# KiCad board IMU-2X.kicad_pcb
title: IMU-2X; date: 2023-11-19; rev: 2; company: FRC971 SPARTAN ROBOTICS
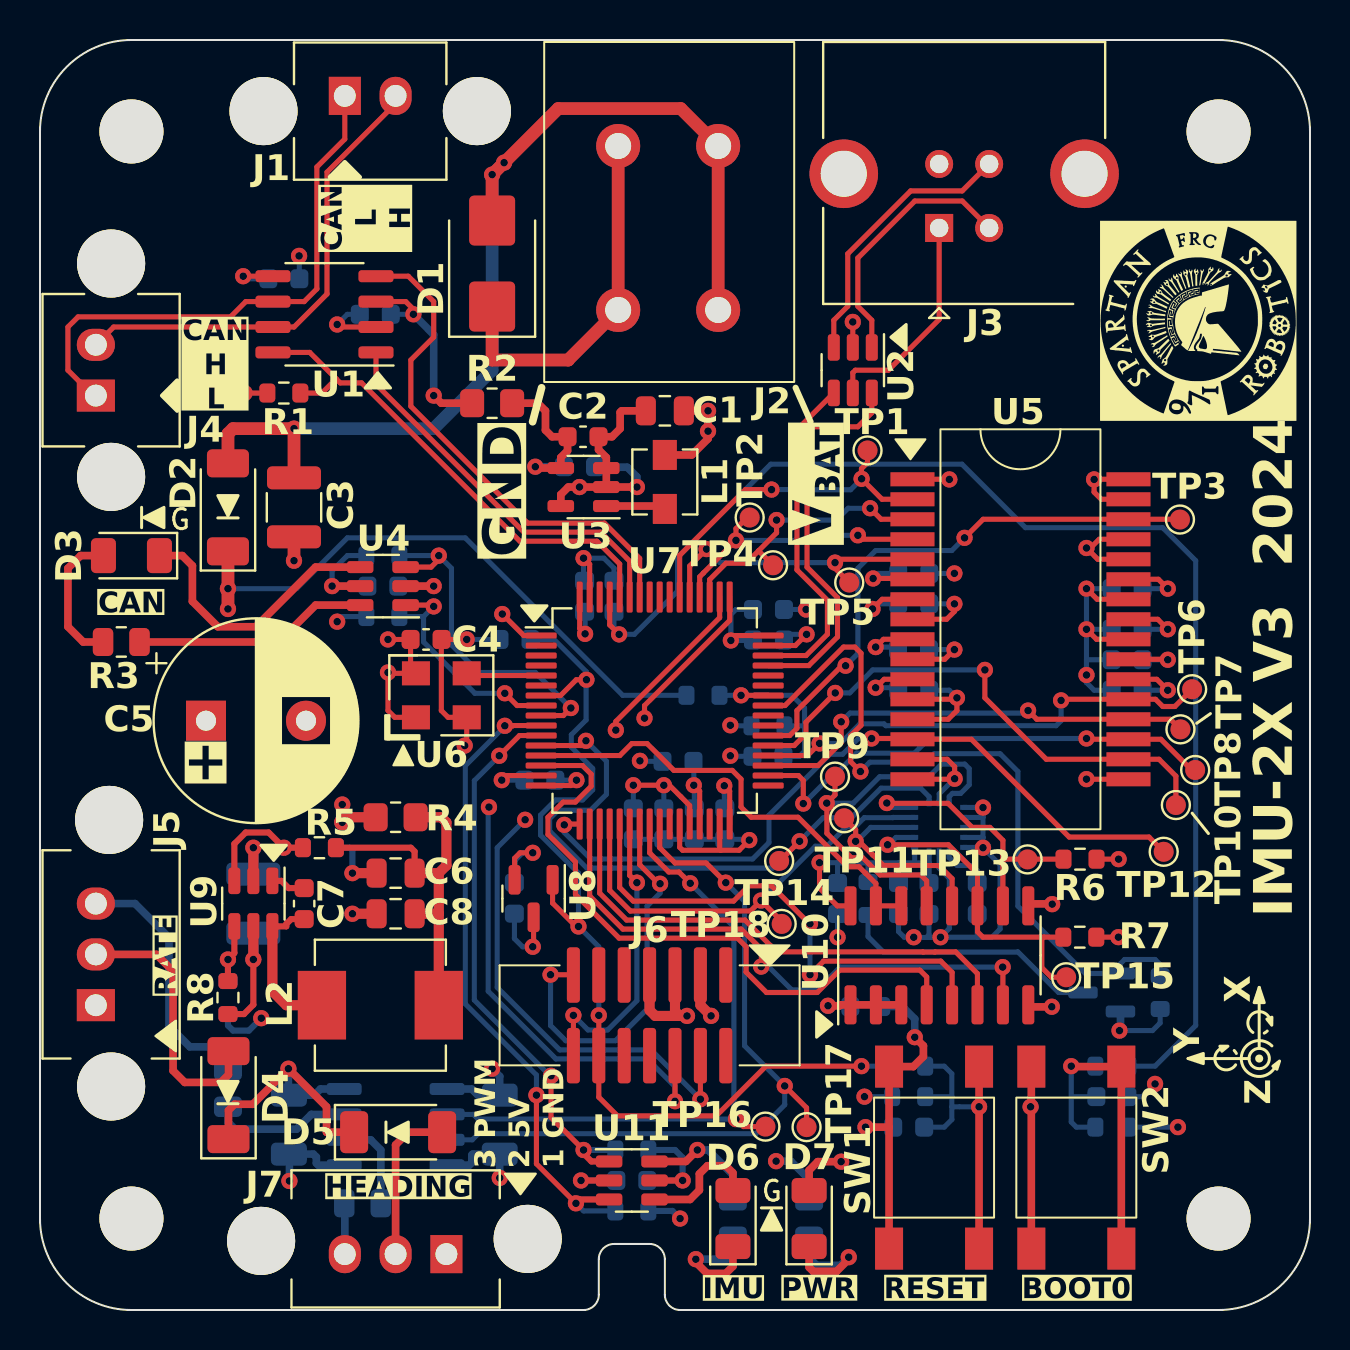
[diagram p0: board, top side]
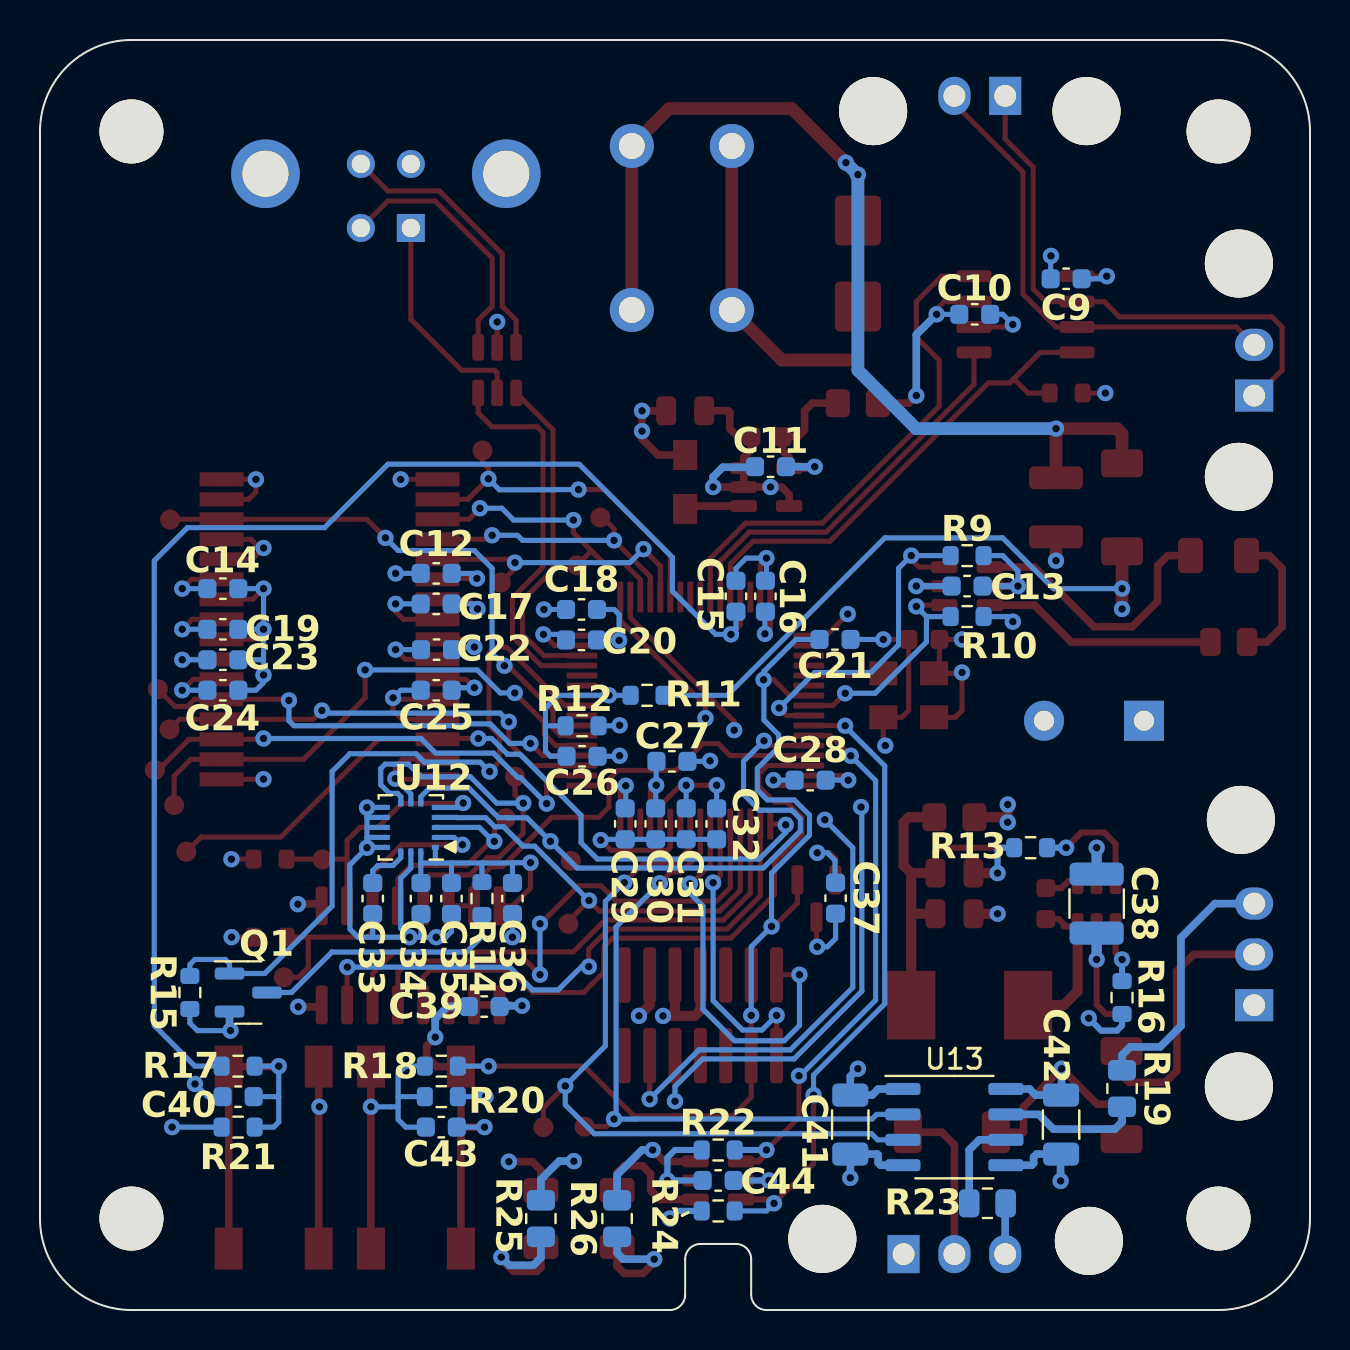
[diagram p1: board, bottom side, seen from below]

Outline 63.5 x 63.5 mm; copper layers: Top, In1.Cu, In2.Cu, Bottom. Coordinates in mm from the lower left corner of the outline.
Outline path: 0,58.93 arc(1.34,62.16) 4.57,63.5 58.93,63.5 arc(62.16,62.16) 63.5,58.93 63.5,4.57 arc(62.16,1.34) 58.93,0 32,0 arc(31.47,0.22) 31.24,0.76 31.24,2.54 arc(31.02,3.08) 30.48,3.3 28.7,3.3 arc(28.16,3.08) 27.94,2.54 27.94,0.76 arc(27.72,0.22) 27.18,0 4.57,0 arc(1.34,1.34) 0,4.57 0,58.93
Stack: Top 0.035mm / dielectric 0.0998mm FR4 er 4.5 / In1.Cu 0.035mm / dielectric 1.24mm FR4 er 4.5 / In2.Cu 0.035mm / dielectric 0.1mm FR4 er 4.5 / Bottom 0.035mm

## Placement (name value [footprint] x y rotation side)
C1  10uF-10%-10V-0805  [C_0805_2012Metric]  31.24 44.96 180 top
C2  22uF-20%-0603  [C_0603_1608Metric]  27.15 43.66 0 top
C3  22uF-25V-10%-1210  [C_1210_3225Metric]  12.7 40.13 90 top
C4  0.1uF-25V-10%-0603  [C_0603_1608Metric]  19.3 33.53 0 top
C5  330uF-35V-20%-10mm  [CP_Radial_D10.0mm_P5.00mm]  8.3 29.46 0 top
C6  10uF-10%-10V-0805  [C_0805_2012Metric]  17.78 21.84 180 top
C7  0.1uF-25V-10%-0603  [C_0603_1608Metric]  13.21 20.32 270 top
C8  10uF-10%-10V-0805  [C_0805_2012Metric]  17.78 19.81 180 top
C9  0.1uF-25V-10%-0603  [C_0603_1608Metric]  12.19 51.56 0 bottom
C10  0.1uF-25V-10%-0603  [C_0603_1608Metric]  16.76 49.78 180 bottom
C11  22uF-20%-0603  [C_0603_1608Metric]  26.97 42.16 0 bottom
C12  1.0uF-25V-10%-0603  [C_0603_1608Metric]  43.69 36.83 0 bottom
C13  0.1uF-25V-10%-0603  [C_0603_1608Metric]  17.15 36.2 0 bottom
C14  1.0uF-25V-10%-0603  [C_0603_1608Metric]  54.36 36.07 180 bottom
C15  1000pF-50V-5%-0603  [C_0603_1608Metric]  28.7 35.69 90 bottom
C16  0.1uF-25V-10%-0603  [C_0603_1608Metric]  27.23 35.69 90 bottom
C17  0.1uF-25V-10%-0603  [C_0603_1608Metric]  43.69 35.31 0 bottom
C18  2.2uF-10V-10%-0603  [C_0603_1608Metric]  36.42 35.03 0 bottom
C19  1.0uF-25V-10%-0603  [C_0603_1608Metric]  54.36 34.04 180 bottom
C20  0.1uF-25V-10%-0603  [C_0603_1608Metric]  36.42 33.5 0 bottom
C21  1000pF-50V-5%-0603  [C_0603_1608Metric]  23.75 33.53 180 bottom
C22  1.0uF-25V-10%-0603  [C_0603_1608Metric]  43.68 33.02 0 bottom
C23  0.1uF-25V-10%-0603  [C_0603_1608Metric]  54.36 32.51 180 bottom
C24  1.0uF-25V-10%-0603  [C_0603_1608Metric]  54.36 30.99 180 bottom
C25  1.0uF-25V-10%-0603  [C_0603_1608Metric]  43.69 30.99 0 bottom
C26  0.047uF-16V-10%-0603  [C_0603_1608Metric]  36.4 27.69 180 bottom
C27  4.7uF-6.3V-10%-0603  [C_0603_1608Metric]  31.9 27.43 180 bottom
C28  0.1uF-25V-10%-0603  [C_0603_1608Metric]  24.99 26.49 180 bottom
C29  0.1uF-25V-10%-0603  [C_0603_1608Metric]  34.24 24.31 270 bottom
C30  0.01uF-50V-10%-0603  [C_0603_1608Metric]  32.72 24.31 270 bottom
C31  1.0uF-25V-10%-0603  [C_0603_1608Metric]  31.19 24.31 270 bottom
C32  0.1uF-25V-10%-0603  [C_0603_1608Metric]  29.67 24.31 270 bottom
C33  0.47uF-10V-10%-0603  [C_0603_1608Metric]  46.86 20.57 270 bottom
C34  0.1uF-25V-10%-0603  [C_0603_1608Metric]  44.45 20.57 270 bottom
C35  2.2uF-10V-10%-0603  [C_0603_1608Metric]  42.93 20.57 270 bottom
C36  0.1uF-25V-10%-0603  [C_0603_1608Metric]  39.88 20.57 270 bottom
C37  0.1uF-25V-10%-0603  [C_0603_1608Metric]  23.72 20.59 270 bottom
C38  22uF-25V-10%-1210  [C_1210_3225Metric]  10.67 20.32 270 bottom
C39  0.1uF-25V-10%-0603  [C_0603_1608Metric]  41.29 15.17 0 bottom
C40  0.1uF-25V-10%-0603  [C_0603_1608Metric]  53.59 10.67 180 bottom
C41  0.1uF-25V-10%-1206  [C_1206_3216Metric]  22.99 9.27 270 bottom
C42  0.1uF-25V-10%-1206  [C_1206_3216Metric]  12.45 9.27 270 bottom
C43  0.01uF-50V-10%-0603  [C_0603_1608Metric]  43.43 9.14 180 bottom
C44  0.1uF-25V-10%-0603  [C_0603_1608Metric]  29.59 6.48 180 bottom
D1  15V  [D_SMB]  22.61 52.32 90 top
D2  PMEG3020EP,115  [D_SOD-128]  9.4 40.13 90 top
D3  CAN  [LED_1206_3216Metric]  4.57 37.72 180 top
D4  PMEG3020EP,115  [D_SOD-128]  9.42 10.74 90 top
D5  PMEG3020EP,115  [D_SOD-128]  17.91 8.89 0 top
D6  IMU  [LED_1206_3216Metric]  34.65 4.57 90 top
D7  PWR  [LED_1206_3216Metric]  38.46 4.57 90 top
G***  LOGO  [Spartan Logo-FrontSilk]  57.91 49.45 90 top
H1  MountingHole  [MountingHole_3.2mm_M3]  4.57 58.93 0 top
H2  MountingHole  [MountingHole_3.2mm_M3]  58.93 58.93 0 top
H3  MountingHole  [MountingHole_3.2mm_M3]  4.57 4.57 0 top
H4  MountingHole  [MountingHole_3.2mm_M3]  58.93 4.57 180 bottom
J1  CAN-FD  [70541-0001]  15.24 60.71 0 top
J2  Power  [Wago-2604-3102]  33.91 58.2 270 top
J3  USB_B  [USB_B_TE_5787834_Vertical]  44.96 54.1 180 top
J4  CAN-FD  [70541-0001]  2.79 45.72 90 top
J5  RATE  [70541-0002]  2.79 15.24 270 top
J6  SWD  [CNC-Tech-3220-14-0300-00]  30.48 14.73 270 top
J7  HEADING  [70541-0002]  20.32 2.79 0 top
L1  2.2uH-20%-46mR  [L_Vishay_IHLP-1212]  31.24 41.4 270 top
L2  8.2uH-20%-55mR  [L_Vishay_IHLP-2525]  17.02 15.24 0 top
Q1  DMP2004K-7  [SOT-23]  53.09 15.88 180 bottom
R1  10.0k-1%-0603  [R_0603_1608Metric]  12.19 45.85 0 top
R2  0R-0805  [R_0805_2012Metric_Pad1.20x1.40mm_HandSolder]  22.61 45.34 0 top
R3  249R-1%-0805  [R_0805_2012Metric]  4.06 33.4 0 top
R4  0R-0805  [R_0805_2012Metric_Pad1.20x1.40mm_HandSolder]  17.78 24.64 0 top
R5  63.4k-1%-0603  [R_0603_1608Metric]  13.97 23.11 0 top
R6  10.0k-1%-0603  [R_0603_1608Metric]  52 22.54 0 top
R7  10.0k-1%-0603  [R_0603_1608Metric]  51.99 18.64 0 top
R8  20.0k-1%-0603  [R_0603_1608Metric]  9.4 15.62 270 top
R9  10.0k-1%-0603  [R_0603_1608Metric]  17.15 37.72 0 bottom
R10  10.0k-1%-0603  [R_0603_1608Metric]  17.15 34.67 180 bottom
R11  63.4k-1%-0603  [R_0603_1608Metric]  33.15 30.73 0 bottom
R12  10.0k-1%-0603  [R_0603_1608Metric]  36.4 29.21 180 bottom
R13  20.0k-1%-0603  [R_0603_1608Metric]  13.97 23.11 180 bottom
R14  49.9R-1%-0603  [R_0603_1608Metric]  41.4 20.57 270 bottom
R15  10.0k-1%-0603  [R_0603_1608Metric]  56.01 15.88 90 bottom
R16  10.0k-1%-0603  [R_0603_1608Metric]  9.4 15.62 90 bottom
R17  1.0k-1%-0603  [R_0603_1608Metric]  53.59 12.19 0 bottom
R18  1.0k-1%-0603  [R_0603_1608Metric]  43.43 12.19 180 bottom
R19  100R-1%-0805  [R_0805_2012Metric]  9.4 11.07 270 bottom
R20  1.0k-1%-0603  [R_0603_1608Metric]  43.43 10.67 180 bottom
R21  1.0k-1%-0603  [R_0603_1608Metric]  53.59 9.14 0 bottom
R22  10.0k-1%-0603  [R_0603_1608Metric]  29.59 8 180 bottom
R23  100R-1%-0805  [R_0805_2012Metric]  16.13 5.33 0 bottom
R24  10.0k-1%-0603  [R_0603_1608Metric]  29.59 4.95 0 bottom
R25  100R-1%-0805  [R_0805_2012Metric]  38.46 4.57 90 bottom
R26  249R-1%-0805  [R_0805_2012Metric]  34.65 4.57 90 bottom
SW1  RESET  [SW_ESWITCH_TL3301xxJ]  44.7 7.62 0 top
SW2  BOOT0  [SW_ESWITCH_TL3301xxJ]  51.82 7.62 0 top
TP1  TestPoint_Small  [TestPoint_Pad_D1.0mm]  41.38 42.98 0 top
TP2  TestPoint_Small  [TestPoint_Pad_D1.0mm]  35.48 39.62 0 top
TP3  TestPoint_Small  [TestPoint_Pad_D1.0mm]  57 39.52 0 top
TP4  TestPoint_Small  [TestPoint_Pad_D1.0mm]  36.65 37.24 0 top
TP5  TestPoint_Small  [TestPoint_Pad_D1.0mm]  40.46 36.37 0 top
TP6  TestPoint_Small  [TestPoint_Pad_D1.0mm]  57.61 31.04 0 top
TP7  TestPoint_Small  [TestPoint_Pad_D1.0mm]  57.02 29.03 0 top
TP8  TestPoint_Small  [TestPoint_Pad_D1.0mm]  57.76 27 0 top
TP9  TestPoint_Small  [TestPoint_Pad_D1.0mm]  39.75 26.67 0 top
TP10  TestPoint_Small  [TestPoint_Pad_D1.0mm]  56.79 25.25 0 top
TP11  TestPoint_Small  [TestPoint_Pad_D1.0mm]  40.21 24.59 0 top
TP12  TestPoint_Small  [TestPoint_Pad_D1.0mm]  56.18 22.91 0 top
TP13  TestPoint_Small  [TestPoint_Pad_D1.0mm]  49.38 22.53 0 top
TP14  TestPoint_Small  [TestPoint_Pad_D1.0mm]  36.96 22.45 0 top
TP15  TestPoint_Small  [TestPoint_Pad_D1.0mm]  51.31 16.64 0 top
TP16  TestPoint_Small  [TestPoint_Pad_D1.0mm]  36.27 9.17 0 top
TP17  TestPoint_Small  [TestPoint_Pad_D1.0mm]  38.33 9.14 0 top
TP18  TestPoint_Small  [TestPoint_Pad_D1.0mm]  37.08 19.3 0 top
U1  MCP2542FDT-E/SN  [SO-8_3.9x4.9mm_P1.27mm]  14.22 49.78 180 top
U2  USBLC6-2SC6  [SOT-23-6]  40.64 46.99 270 top
U3  TPS613222ADBVR  [SOT-23-5]  27.18 41.15 180 top
U4  SN74LVC2G04DBVR  [SOT-23-6]  17.15 36.2 180 top
U5  -  [SCHA63T-K03]  49.02 34.04 0 top
U6  8MHz-ECS-5032MV  [ECS-5032MV]  20.07 30.73 0 top
U7  STM32G473RET6  [LQFP-64_10x10mm_P0.5mm]  30.73 29.97 0 top
U8  MCP120T-270I/TT  [SOT-23]  24.68 20.57 270 top
U9  LMR54410FDBVR  [SOT-23-6]  10.67 20.32 270 top
U10  SN74AVC4T245DR  [SOIC-16_3.9x9.9mm_P1.27mm]  44.97 17.73 90 top
U11  SN74LVC2G04DBVR  [SOT-23-6]  29.59 6.48 0 top
U12  IAM-20680HP  [LGA-16_3x3mm_P0.5mm_LayoutBorder3x5y]  44.96 24.13 0 bottom
U13  ISO6720FBDR  [SO-8_3.9x4.9mm_P1.27mm]  17.78 9.14 180 bottom

## Library data of the parts
C1 C6 C8 = -: Description: Unpolarized capacitor; DIST: Digikey; DIST P/N: 399-C0805C106K8PAC7800CT-ND; MFG: Kemet; MFG P/N: C0805C106K8PAC7800; Page: Page:2/4
C2 C11 = -: Description: Unpolarized capacitor; DIST: Digikey; DIST P/N: 445-9077-1-ND; MFG: TDK; MFG P/N: C1608X5R1A226M080AC; Page: Page:2/4
C3 C38 = -: Description: Unpolarized capacitor; DIST: Digikey; DIST P/N: 1276-3369-1-ND; MFG: Samsung Electro-Mechanics; MFG P/N: CL32A226KAJNNWE; Page: Page:2/4
C4 C9 C10 C16 C17 C20 C23 C28 C29 C32 C34 C36 C37 C39 C40 = -: Description: Unpolarized capacitor; DIST: Digikey; DIST P/N: 478-KGM15BR71E104KMCT-ND; MFG: Kyocera AVX; MFG P/N: KGM15BR71E104KM
C5 = -: Description: Polarized capacitor, US symbol; DIST: Digikey; DIST P/N: 1189-35PZJ330M10X9-ND; MFG: Rubycon; MFG P/N: 35PZJ330M10X9; Page: Page:2/4
C7 = -: Description: Unpolarized capacitor; DIST: Digikey; DIST P/N: 478-KGM15BR71E104KMCT-ND; MFG: Kyocera AVX; MFG P/N: KGM15BR71E104KM; Page: Page:2/4
C12 C14 C19 C22 C24 C25 C31 = -: Description: Unpolarized capacitor; DIST: Digikey; DIST P/N: 1276-1184-1-ND; MFG: Samsung Electro-Mechanics; MFG P/N: CL10B105KA8NNNC
C13 C44 = -: Description: Unpolarized capacitor; DIST: Digikey; DIST P/N: 478-KGM15BR71E104KMCT-ND; MFG: Kyocera AVX; MFG P/N: KGM15BR71E104KM; Page: Page:3/4
C15 C21 = -: Description: Unpolarized capacitor; DIST: Digikey; DIST P/N: 490-1451-1-ND; MFG: Murata Electronics; MFG P/N: GRM1885C1H102JA01D
C18 C35 = -: Description: Unpolarized capacitor; DIST: Digikey; DIST P/N: 490-6418-1-ND; MFG: Murata Electronics; MFG P/N: GRM188R71A225KE15J
C26 = -: Description: Unpolarized capacitor; DIST: Digikey; DIST P/N: 399-C0603C473K4RAC7867CT-ND; MFG: Kemet; MFG P/N: C0603C473K4RAC7867
C27 = -: Description: Unpolarized capacitor; DIST: Digikey; DIST P/N: 1276-2087-1-ND; MFG: Samsung Electro-Mechanics; MFG P/N: CL10B475KQ8NQNC
C30 C43 = -: Description: Unpolarized capacitor; DIST: Digikey; DIST P/N: 445-5662-1-ND; MFG: TDK Corporation; MFG P/N: CGA3E2X7R1H103K080AA
C33 = -: Description: Unpolarized capacitor; DIST: Digikey; DIST P/N: 1276-1247-1-ND; MFG: Samsung Electro-Mechanics; MFG P/N: CL10B474KP8NNNC
C41 C42 = -: Description: Unpolarized capacitor; Page: Page:4/4
D1 = -: Description: Bidirectional transient-voltage-suppression diode; DIST: Digikey; DIST P/N: F11544CT-ND; MFG: Littelfuse; MFG P/N: SZ1SMB15CAT3G; Page: Page:2/4
D2 = -: Description: Schottky diode; DIST: Digikey; DIST P/N: 1727-5836-1-ND; MFG: Nexperia; Page: Page:2/4
D3 D6 D7 = -: Description: Dual LED, bidirectional; DIST: Digikey; DIST P/N: 1497-1314-1-ND; MFG: SUN LED; MFG P/N: XZMDKVG55W-4; Page: Page:3/4
D4 D5 = -: Description: Schottky diode; DIST: Digikey; DIST P/N: 1727-5836-1-ND; MFG: Nexperia; Page: Page:4/4
H1-H4 = -: Description: Mounting Hole without connection
J1 J4 = -: Description: Generic connector, single row, 01x02, script generated; DIST: Digikey; DIST P/N: WM14047-ND; MFG: Molex; MFG P/N: 0705410001
J2 = -: Description: Generic connector, single row, 01x04, script generated; DIST: Digikey; DIST P/N: 2946-2604-3102-ND; MFG: Wago; MFG P/N: 2604-3102
J3 = -: Description: USB Type B connector; DIST: Digikey; DIST P/N: A121598-ND; MFG: TE Connectivity; MFG P/N: 5787834-2
J5 J7 = -: Description: Generic connector, single row, 01x03, script generated (kicad-library-utils/schlib/autogen/connector/); DIST: Digikey; DIST P/N: WM7991-ND; MFG: Molex; MFG P/N: 70541-0002; Page: Page:4/4
J6 = -: Description: Generic connector, double row, 02x07, odd/even pin numbering scheme (row 1 odd numbers, row 2 even numbers), script generated (kicad-library-utils/schlib/autogen/connector/); DIST: Digikey; DIST P/N: 1175-1632-ND; MFG: CNC Tech; MFG P/N: 3220-14-0300-00
L1 = -: Description: Inductor with iron core; DIST: Digikey; DIST P/N: 541-1322-1-ND; MFG: Vishay; MFG P/N: IHLP1212BZER2R2M11; Page: Page:2/4
L2 = -: Description: Inductor with iron core; DIST: Digikey; DIST P/N: 541-IHLP2525CZER8R2M1ACT-ND; MFG: Vishay; MFG P/N: IHLP2525CZER8R2M1A; Page: Page:2/4
Q1 = -: Description: -0.13A Id, -50V Vds, P-Channel MOSFET, SOT-23; DIST: Digikey; DIST P/N: DMP2004KDICT-ND; MFG: Diodes Inc
R1 R6 R7 R12 R15 = -: Description: Resistor, US symbol; DIST: Digikey; DIST P/N: YAG1290CT-ND; MFG: Yageo; MFG P/N: RC0603FR-0710KP
R2 R4 = -: Description: Resistor, US symbol; DIST: Digikey; DIST P/N: 311-0.0ARCT-ND; MFG: Yageo; MFG P/N: RC0805JR-070RL; Page: Page:2/4
R3 R26 = -: Description: Resistor, US symbol; DIST: Digikey; DIST P/N: 311-249CRCT-ND; MFG: Yageo; MFG P/N: RC0805FR-07249RL; Page: Page:3/4
R5 = -: Description: Resistor, US symbol; DIST: Digikey; DIST P/N: 311-63.4KHRCT-ND; MFG: Yageo; MFG P/N: RC0603FR-0763K4L; Page: Page:2/4
R8 R13 = -: Description: Resistor, US symbol; DIST: Digikey; DIST P/N: 311-20.0KHRCT-ND; MFG: Yageo; MFG P/N: RC0603FR-0720KL; Page: Page:2/4
R9 R10 R22 R24 = -: Description: Resistor, US symbol; DIST: Digikey; DIST P/N: YAG1290CT-ND; MFG: Yageo; MFG P/N: RC0603FR-0710KP; Page: Page:3/4
R11 = -: Description: Resistor, US symbol; DIST: Digikey; DIST P/N: 311-63.4KHRCT-ND; MFG: Yageo; MFG P/N: RC0603FR-0763K4L
R14 = -: Description: Resistor, US symbol; DIST: Digikey; DIST P/N: 311-49.9HRCT-ND; MFG: Yageo; MFG P/N: RC0603FR-0749R9L
R16 = -: Description: Resistor, US symbol; DIST: Digikey; DIST P/N: YAG1290CT-ND; MFG: Yageo; MFG P/N: RC0603FR-0710KP; Page: Page:2/4
R17 R18 R20 R21 = -: Description: Resistor, US symbol; DIST: Digikey; DIST P/N: 311-1.00KHRCT-ND; MFG: Yageo; MFG P/N: RC0603FR-071KL
R19 R23 = -: Description: Resistor, US symbol; DIST: Digikey; DIST P/N: 311-100CRCT-ND; MFG: Yageo; MFG P/N: RC0805FR-07100RL; Page: Page:4/4
R25 = -: Description: Resistor, US symbol; DIST: Digikey; DIST P/N: 311-100CRCT-ND; MFG: Yageo; MFG P/N: RC0805FR-07100RL; Page: Page:3/4
SW1 SW2 = -: Description: Push button switch, generic, two pins; DIST: Digikey; DIST P/N: EG2527CT-ND; MFG: E-Switch; MFG P/N: TL3301AF260QG
TP1-TP18 = -: Description: test point
U1 = -: Description: CAN-FD Transceiver, Wake-Up on CAN activity, 8Mbps, 5V supply, STBY pin, 3x3 DFN-8; DIST: Digikey; DIST P/N: MCP2542FDT-E/SNCT-ND; MFG: Microchip
U2 = -: Description: Very low capacitance ESD protection diode, 2 data-line, SOT-23-6; DIST: Digikey; DIST P/N: 497-5235-1-ND; MFG: ST Micro
U3 = -: Description: Boost Switching Regulator IC Positive Fixed 5V 1 Output 2.5A (Switch) SC-74A, SOT-753; DIST: Digikey; DIST P/N: 296-50503-1-ND; MFG: Texas Instruments; Page: Page:2/4
U4 U11 = -: Description: Dual NOT Gate, Low-Voltage CMOS; DIST: Digikey; DIST P/N: 296-13261-1-ND; MFG: Texas Instruments; Page: Page:3/4
U5 = -: Description: Accelerometer, Gyroscope, Temperature, 6 Axis Sensor SPI Output; DIST: Digikey; DIST P/N: 490-SCHA63T-K03-05CT-ND; MFG: Murata; MFG P/N: SCHA63T-K03-05
U6 = -: DIST: Digikey; DIST P/N: XC3116CT-ND; MFG: ECS; MFG P/N: ECS-5032MV-80-CN-TR
U7 = -: Description: ARM® Cortex®-M4 STM32G4 Microcontroller IC 32-Bit Single-Core 170MHz 512KB (512K x 8) FLASH 64-LQFP (10x10); DIST: Digikey; DIST P/N: 497-STM32G473RET6-ND; MFG: ST Micro
U8 = -: Description: Microcontroller supervisory circuit, SOT-23; DIST: Digikey; DIST P/N: MCP120T-270I/TTCT-ND; MFG: Microchip
U9 = -: Description: Buck Switching Regulator IC Positive Adjustable 0.8V 1 Output 1A SOT-23-6; DIST: Digikey; DIST P/N: 296-LMR54410FDBVRCT-ND; MFG: Texas Instruments; Page: Page:2/4
U10 = -: Description: 4-Bit Dual-Supply Bus Transceiver With Configurable Voltage Translation and 3-State Outputs, TSSOP-16; DIST: Digikey; DIST P/N: 296-17930-1-ND; MFG: Texas Instruments
U12 = -: Description: IMUs - Inertial Measurement Units Automotive Qualified, Grade2 (-40 C +105 C), High-Performance Integrated 6-Axis MEMS MotionTracking Device; DIST: Mouser; DIST P/N: 410-IAM-20680HP; MFG: TDK
U13 = -: DIST: Digikey; DIST P/N: 296-ISO6720FBDRCT-ND; MFG: Texas Instruments; Page: Page:4/4

## Footprints (pads in the part's own frame, mm; a bottom-side part is the same pattern mirrored in y, then rotated)
70541-0001
  round 3.404 hole 3.404 unplated: (-4.064,-0.762) (6.604,-0.762)
  rect 1.6x1.905 hole 1.092: 1(0,0)
  oval 1.6x1.905 hole 1.092: 2(2.54,0)
70541-0002
  round 3.404 hole 3.404 unplated: (-9.264,0.662) (4.064,0.762)
  rect 1.6x1.905 hole 1.092: 1(0,0)
  oval 1.6x1.905 hole 1.092: 2(-2.54,0) 3(-5.08,0)
C_0603_1608Metric
  rrect 0.9x0.95 smd: 1(-0.775,0) 2(0.775,0)
C_0805_2012Metric
  rrect 1x1.45 smd: 1(-0.95,0) 2(0.95,0)
C_1206_3216Metric
  rrect 1.15x1.8 smd: 1(-1.475,0) 2(1.475,0)
C_1210_3225Metric
  rrect 1.15x2.7 smd: 1(-1.475,0) 2(1.475,0)
CNC-Tech-3220-14-0300-00
  rrect 2.77x0.65 smd: 1(-2.015,3.81) 2(2.015,3.81) 3(-2.015,2.54) 4(2.015,2.54) 5(-2.015,1.27) 6(2.015,1.27) 7(-2.015,0) 8(2.015,0) 9(-2.015,-1.27) 10(2.015,-1.27) 11(-2.015,-2.54) 12(2.015,-2.54) 13(-2.015,-3.81) 14(2.015,-3.81)
CP_Radial_D10.0mm_P5.00mm
  rect 2x2 hole 1: 1(0,0)
  round 2 hole 1: 2(5,0)
D_SMB
  rrect 2.5x2.3 smd: 1(-2.15,0) 2(2.15,0)
D_SOD-128
  rrect 1.4x2.1 smd: 1(-2.2,0) 2(2.2,0)
ECS-5032MV
  rect 1.4x1.2 smd: 1(-1.27,-1.1) 2(1.27,-1.1) 3(1.27,1.1) 4(-1.27,1.1)
L_Vishay_IHLP-1212
  rect 1.5x1.2 smd: 1(-1.35,0) 2(1.35,0)
L_Vishay_IHLP-2525
  rect 2.413x3.429 smd: 1(-2.921,0) 2(2.921,0)
LED_1206_3216Metric
  rrect 1.25x1.75 smd: 1(-1.4,0) 2(1.4,0)
LGA-16_3x3mm_P0.5mm_LayoutBorder3x5y
  rect 0.35x0.25 smd: 1(-1.225,1) 2(-1.225,0.5) 3(-1.225,0) 4(-1.225,-0.5) 5(-1.225,-1) 9(1.225,-1) 10(1.225,-0.5) 11(1.225,0) 12(1.225,0.5) 13(1.225,1)
  rect 0.25x0.35 smd: 6(-0.5,-1.225) 7(0,-1.225) 8(0.5,-1.225) 14(0.5,1.225) 15(0,1.225) 16(-0.5,1.225)
LQFP-64_10x10mm_P0.5mm
  rrect 1.55x0.3 smd: 1(-5.675,3.75) 2(-5.675,3.25) 3(-5.675,2.75) 4(-5.675,2.25) 5(-5.675,1.75) 6(-5.675,1.25) 7(-5.675,0.75) 8(-5.675,0.25) 9(-5.675,-0.25) 10(-5.675,-0.75) 11(-5.675,-1.25) 12(-5.675,-1.75) 13(-5.675,-2.25) 14(-5.675,-2.75) 15(-5.675,-3.25) 16(-5.675,-3.75) 33(5.675,-3.75) 34(5.675,-3.25) 35(5.675,-2.75) 36(5.675,-2.25) 37(5.675,-1.75) 38(5.675,-1.25) 39(5.675,-0.75) 40(5.675,-0.25) 41(5.675,0.25) 42(5.675,0.75) 43(5.675,1.25) 44(5.675,1.75) 45(5.675,2.25) 46(5.675,2.75) 47(5.675,3.25) 48(5.675,3.75)
  rrect 0.3x1.55 smd: 17(-3.75,-5.675) 18(-3.25,-5.675) 19(-2.75,-5.675) 20(-2.25,-5.675) 21(-1.75,-5.675) 22(-1.25,-5.675) 23(-0.75,-5.675) 24(-0.25,-5.675) 25(0.25,-5.675) 26(0.75,-5.675) 27(1.25,-5.675) 28(1.75,-5.675) 29(2.25,-5.675) 30(2.75,-5.675) 31(3.25,-5.675) 32(3.75,-5.675) 49(3.75,5.675) 50(3.25,5.675) 51(2.75,5.675) 52(2.25,5.675) 53(1.75,5.675) 54(1.25,5.675) 55(0.75,5.675) 56(0.25,5.675) 57(-0.25,5.675) 58(-0.75,5.675) 59(-1.25,5.675) 60(-1.75,5.675) 61(-2.25,5.675) 62(-2.75,5.675) 63(-3.25,5.675) 64(-3.75,5.675)
MountingHole_3.2mm_M3
  round 3.2 hole 3.2 unplated: (0,0)
R_0603_1608Metric
  rrect 0.8x0.95 smd: 1(-0.825,0) 2(0.825,0)
R_0805_2012Metric
  rrect 1.025x1.4 smd: 1(-0.912,0) 2(0.912,0)
R_0805_2012Metric_Pad1.20x1.40mm_HandSolder
  rrect 1.2x1.4 smd: 1(-1,0) 2(1,0)
SCHA63T-K03
  rect 2.2x0.7 smd: 1(-5.4,7.5) 2(-5.4,6.5) 3(-5.4,5.5) 4(-5.4,4.5) 5(-5.4,3.5) 6(-5.4,2.5) 7(-5.4,1.5) 8(-5.4,0.5) 9(-5.4,-0.5) 10(-5.4,-1.5) 11(-5.4,-2.5) 12(-5.4,-3.5) 13(-5.4,-4.5) 14(-5.4,-5.5) 15(-5.4,-6.5) 16(-5.4,-7.5) 17(5.4,-7.5) 18(5.4,-6.5) 19(5.4,-5.5) 20(5.4,-4.5) 21(5.4,-3.5) 22(5.4,-2.5) 23(5.4,-1.5) 24(5.4,-0.5) 25(5.4,0.5) 26(5.4,1.5) 27(5.4,2.5) 28(5.4,3.5) 29(5.4,4.5) 30(5.4,5.5) 31(5.4,6.5) 32(5.4,7.5)
SO-8_3.9x4.9mm_P1.27mm
  rrect 1.75x0.6 smd: 1(-2.575,1.905) 2(-2.575,0.635) 3(-2.575,-0.635) 4(-2.575,-1.905) 5(2.575,-1.905) 6(2.575,-0.635) 7(2.575,0.635) 8(2.575,1.905)
SOIC-16_3.9x9.9mm_P1.27mm
  rrect 1.95x0.6 smd: 1(-2.475,4.445) 2(-2.475,3.175) 3(-2.475,1.905) 4(-2.475,0.635) 5(-2.475,-0.635) 6(-2.475,-1.905) 7(-2.475,-3.175) 8(-2.475,-4.445) 9(2.475,-4.445) 10(2.475,-3.175) 11(2.475,-1.905) 12(2.475,-0.635) 13(2.475,0.635) 14(2.475,1.905) 15(2.475,3.175) 16(2.475,4.445)